# KiCad board ergodonk_simple_zero.kicad_pcb
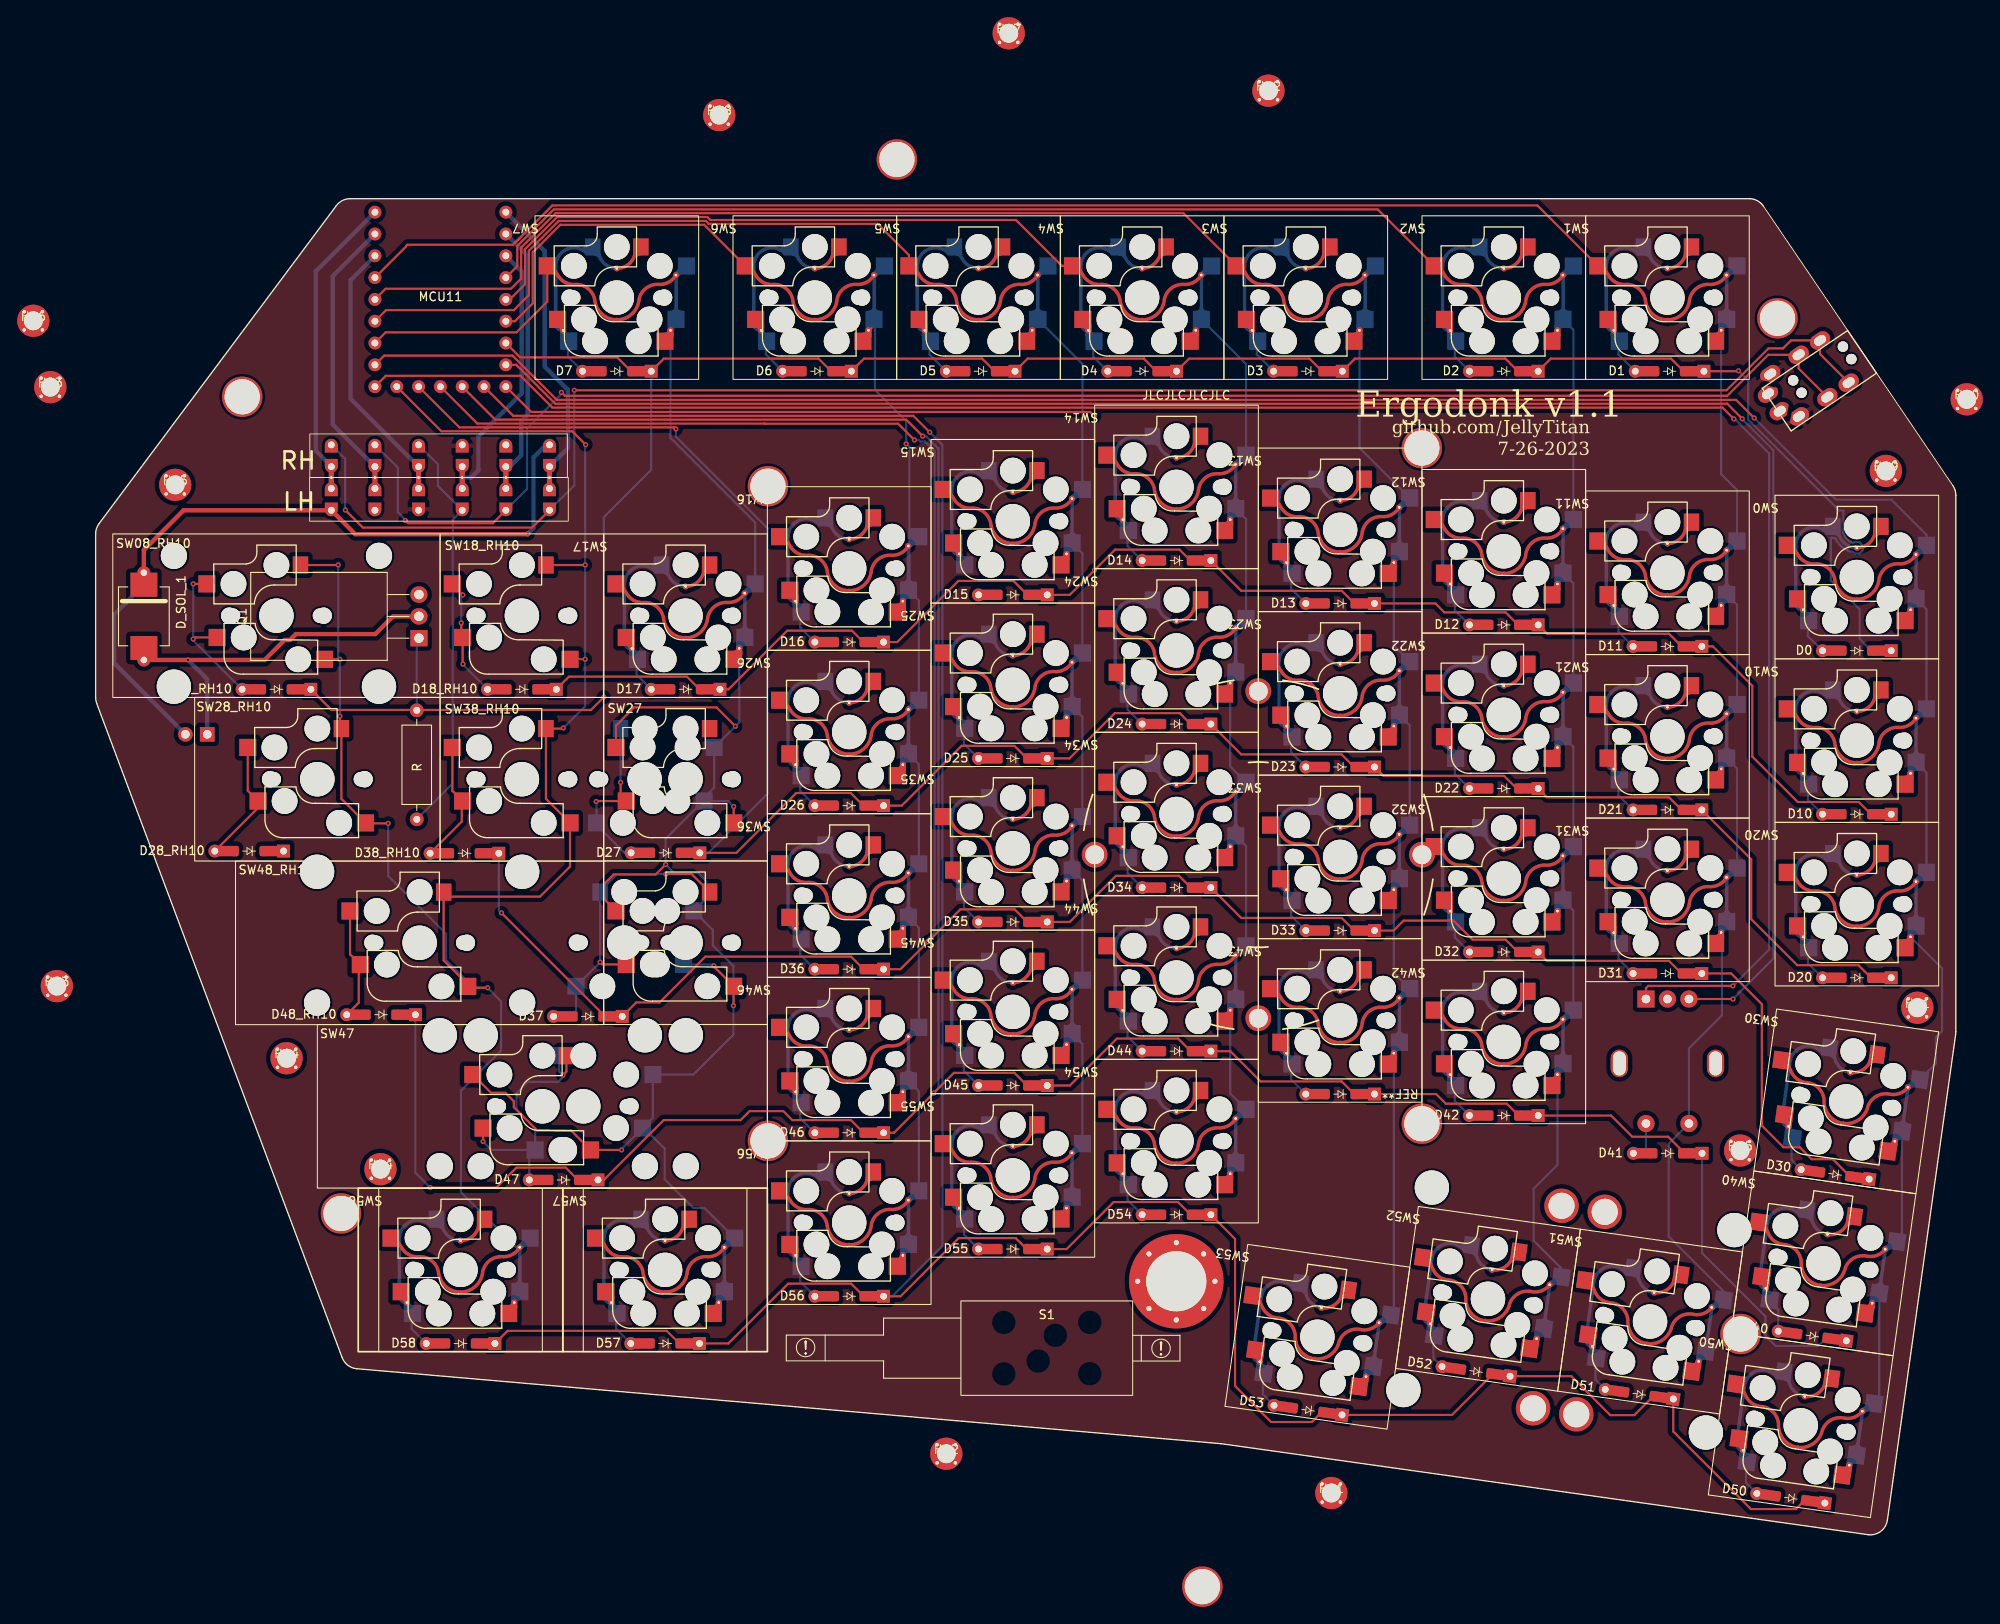
[diagram p0: board, top side]
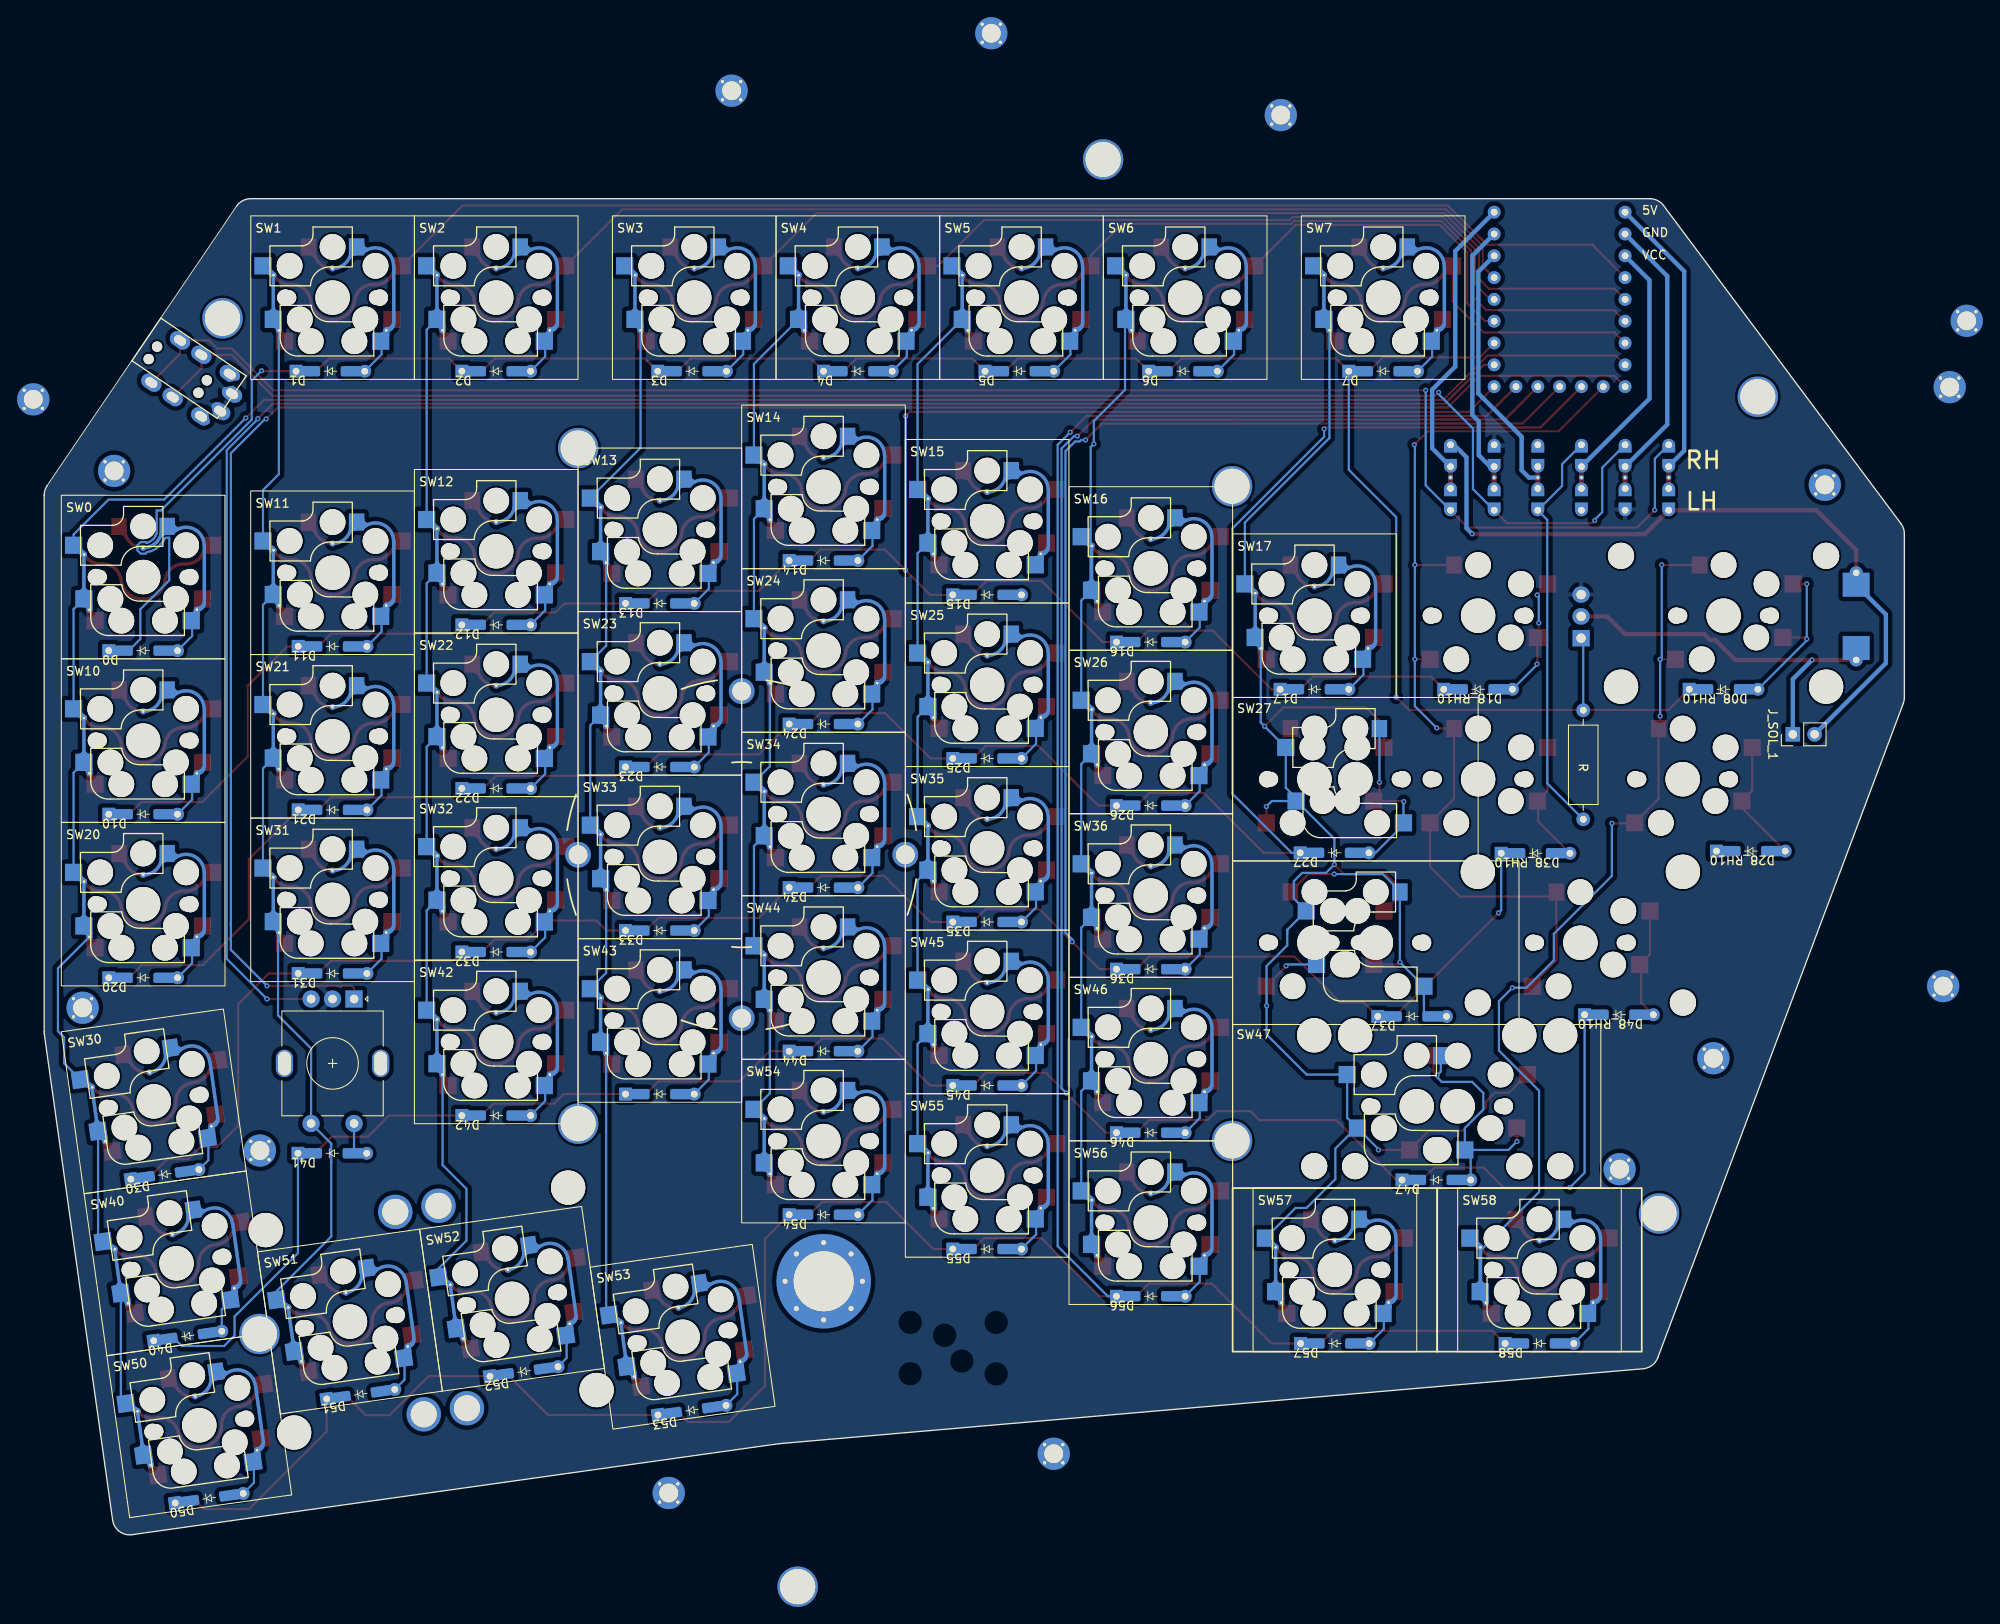
[diagram p1: board, bottom side, seen from below]

Outline 216.55 x 155.62 mm; copper layers: Top, Bottom. Coordinates in mm from the lower left corner of the outline.
Outline path: 216.55,58.57 216.55,121.07 arc(216.46,121.66) 216.21,122.19 194.16,154.74 arc(193.44,155.39) 192.5,155.62 29.64,155.62 arc(28.74,155.41) 28.03,154.82 0.4,117.77 arc(0.1,117.2) 0,116.57 0,97.52 arc(0.03,97.16) 0.13,96.82 28.7,20.62 arc(29.37,19.73) 30.4,19.33 130.98,10.6 206.32,0 arc(207.8,0.38) 208.58,1.7 216.53,58.29 arc(216.55,58.43) 216.55,58.57
Stack: Top 0.035mm / dielectric 1.51mm FR4 er 4.5 / Bottom 0.035mm

## Placement (name value [footprint] x y rotation side)
D0  D  [D_SOD-123_DO-35_Hybrid_DoubleSided_ergodonk_simple_zero]  205.02 102.97 180 top
D1  D  [D_SOD-123_DO-35_Hybrid_DoubleSided_ergodonk_simple_zero]  183.23 135.52 180 top
D2  D  [D_SOD-123_DO-35_Hybrid_DoubleSided_ergodonk_simple_zero]  163.93 135.52 180 top
D3  D  [D_SOD-123_DO-35_Hybrid_DoubleSided_ergodonk_simple_zero]  141.12 135.52 180 top
D4  D  [D_SOD-123_DO-35_Hybrid_DoubleSided_ergodonk_simple_zero]  121.83 135.52 180 top
D5  D  [D_SOD-123_DO-35_Hybrid_DoubleSided_ergodonk_simple_zero]  103.02 135.52 180 top
D6  D  [D_SOD-123_DO-35_Hybrid_DoubleSided_ergodonk_simple_zero]  83.97 135.52 180 top
D7  D  [D_SOD-123_DO-35_Hybrid_DoubleSided_ergodonk_simple_zero]  60.67 135.52 180 top
D08_RH10  D  [D_SOD-123_DO-35_Hybrid_DoubleSided_ergodonk_simple_zero]  21.05 98.47 180 top
D10  D  [D_SOD-123_DO-35_Hybrid_DoubleSided_ergodonk_simple_zero]  205.02 83.92 180 top
D11  D  [D_SOD-123_DO-35_Hybrid_DoubleSided_ergodonk_simple_zero]  182.98 103.47 180 top
D12  D  [D_SOD-123_DO-35_Hybrid_DoubleSided_ergodonk_simple_zero]  163.93 105.97 180 top
D13  D  [D_SOD-123_DO-35_Hybrid_DoubleSided_ergodonk_simple_zero]  144.88 108.47 180 top
D14  D  [D_SOD-123_DO-35_Hybrid_DoubleSided_ergodonk_simple_zero]  125.83 113.47 180 top
D15  D  [D_SOD-123_DO-35_Hybrid_DoubleSided_ergodonk_simple_zero]  106.77 109.47 180 top
D16  D  [D_SOD-123_DO-35_Hybrid_DoubleSided_ergodonk_simple_zero]  87.72 103.97 180 top
D17  D  [D_SOD-123_DO-35_Hybrid_DoubleSided_ergodonk_simple_zero]  68.67 98.47 180 top
D18_RH10  D  [D_SOD-123_DO-35_Hybrid_DoubleSided_ergodonk_simple_zero]  49.62 98.47 180 top
D20  D  [D_SOD-123_DO-35_Hybrid_DoubleSided_ergodonk_simple_zero]  205.02 64.87 180 top
D21  D  [D_SOD-123_DO-35_Hybrid_DoubleSided_ergodonk_simple_zero]  182.98 84.42 180 top
D22  D  [D_SOD-123_DO-35_Hybrid_DoubleSided_ergodonk_simple_zero]  163.93 86.92 180 top
D23  D  [D_SOD-123_DO-35_Hybrid_DoubleSided_ergodonk_simple_zero]  144.88 89.42 180 top
D24  D  [D_SOD-123_DO-35_Hybrid_DoubleSided_ergodonk_simple_zero]  125.83 94.42 180 top
D25  D  [D_SOD-123_DO-35_Hybrid_DoubleSided_ergodonk_simple_zero]  106.77 90.42 180 top
D26  D  [D_SOD-123_DO-35_Hybrid_DoubleSided_ergodonk_simple_zero]  87.72 84.92 180 top
D27  D  [D_SOD-123_DO-35_Hybrid_DoubleSided_ergodonk_simple_zero]  66.33 79.42 180 top
D28_RH10  D  [D_SOD-123_DO-35_Hybrid_DoubleSided_ergodonk_simple_zero]  17.88 79.63 180 top
D30  D  [D_SOD-123_DO-35_Hybrid_DoubleSided_ergodonk_simple_zero]  202.5 41.97 172 top
D31  D  [D_SOD-123_DO-35_Hybrid_DoubleSided_ergodonk_simple_zero]  182.98 65.37 180 top
D32  D  [D_SOD-123_DO-35_Hybrid_DoubleSided_ergodonk_simple_zero]  163.93 67.87 180 top
D33  D  [D_SOD-123_DO-35_Hybrid_DoubleSided_ergodonk_simple_zero]  144.88 70.37 180 top
D34  D  [D_SOD-123_DO-35_Hybrid_DoubleSided_ergodonk_simple_zero]  125.83 75.37 180 top
D35  D  [D_SOD-123_DO-35_Hybrid_DoubleSided_ergodonk_simple_zero]  106.77 71.37 180 top
D36  D  [D_SOD-123_DO-35_Hybrid_DoubleSided_ergodonk_simple_zero]  87.72 65.87 180 top
D37  D  [D_SOD-123_DO-35_Hybrid_DoubleSided_ergodonk_simple_zero]  57.3 60.37 180 top
D38_RH10  D  [D_SOD-123_DO-35_Hybrid_DoubleSided_ergodonk_simple_zero]  42.94 79.37 180 top
D40  D  [D_SOD-123_DO-35_Hybrid_DoubleSided_ergodonk_simple_zero]  199.83 23.14 172 top
D41  D  [D_SOD-123_DO-35_Hybrid_DoubleSided_ergodonk_simple_zero]  183 44.42 180 top
D42  D  [D_SOD-123_DO-35_Hybrid_DoubleSided_ergodonk_simple_zero]  163.93 48.82 180 top
D43  D  [D_SOD-123_DO-35_Hybrid_DoubleSided_ergodonk_simple_zero]  144.88 51.32 180 top
D44  D  [D_SOD-123_DO-35_Hybrid_DoubleSided_ergodonk_simple_zero]  125.83 56.32 180 top
D45  D  [D_SOD-123_DO-35_Hybrid_DoubleSided_ergodonk_simple_zero]  106.77 52.32 180 top
D46  D  [D_SOD-123_DO-35_Hybrid_DoubleSided_ergodonk_simple_zero]  87.72 46.82 180 top
D47  D  [D_SOD-123_DO-35_Hybrid_DoubleSided_ergodonk_simple_zero]  54.48 41.32 180 top
D48_RH10  D  [D_SOD-123_DO-35_Hybrid_DoubleSided_ergodonk_simple_zero]  33.22 60.57 180 top
D50  D  [D_SOD-123_DO-35_Hybrid_DoubleSided_ergodonk_simple_zero]  197.34 4.24 172 top
D51  D  [D_SOD-123_DO-35_Hybrid_DoubleSided_ergodonk_simple_zero]  179.69 16.36 172 top
D52  D  [D_SOD-123_DO-35_Hybrid_DoubleSided_ergodonk_simple_zero]  160.69 19.01 172 top
D53  D  [D_SOD-123_DO-35_Hybrid_DoubleSided_ergodonk_simple_zero]  141.13 14.51 172 top
D54  D  [D_SOD-123_DO-35_Hybrid_DoubleSided_ergodonk_simple_zero]  125.83 37.27 180 top
D55  D  [D_SOD-123_DO-35_Hybrid_DoubleSided_ergodonk_simple_zero]  106.77 33.27 180 top
D56  D  [D_SOD-123_DO-35_Hybrid_DoubleSided_ergodonk_simple_zero]  87.72 27.77 180 top
D57  D  [D_SOD-123_DO-35_Hybrid_DoubleSided_ergodonk_simple_zero]  66.29 22.27 180 top
D58  D  [D_SOD-123_DO-35_Hybrid_DoubleSided_ergodonk_simple_zero]  42.48 22.27 180 top
D_SOL_1  MUR340S  [MUR340S_IN4001_TH_HYBRID]  5.61 106.97 270 top
H1  MountingHole  [Hole from sofle for M2 posts gold rimmer]  154.38 126.57 180 top
H2  MountingHole  [Hole from sofle for M2 posts gold rimmer]  154.38 47.87 0 top
H3  MountingHole  [Hole from sofle for M2 posts gold rimmer]  78.27 45.87 0 top
H4  MountingHole  [Hole from sofle for M2 posts gold rimmer]  78.27 122.13 0 top
H5  MountingHole  [Hole from sofle for M2 posts gold rimmer]  191.49 23.38 0 top
H6  MountingHole  [Hole from sofle for M2 posts gold rimmer]  195.79 141.69 0 top
H7  MountingHole  [Hole from sofle for M2 posts gold rimmer]  93.27 160.19 0 top
H8  MountingHole  [Hole from sofle for M2 posts gold rimmer]  17.06 132.55 0 top
H9  MountingHole  [Hole from sofle for M2 posts gold rimmer]  28.56 37.42 0 top
H10  MountingHole  [Hole from sofle for M2 posts gold rimmer]  128.83 -6.05 0 top
H11  MountingHole  [M2_Hole_fancy_for_bolt-on-plate]  143.84 4.86 0 top
H12  MountingHole  [M2_Hole_fancy_for_bolt-on-plate]  99.02 9.43 0 top
H13  MountingHole  [M2_Hole_fancy_for_bolt-on-plate]  -4.52 63.9 0 top
H14  MountingHole  [M2_Hole_fancy_for_bolt-on-plate]  22.23 55.49 0 top
H15  MountingHole  [M2_Hole_fancy_for_bolt-on-plate]  9.27 122.29 0 top
H16  MountingHole  [M2_Hole_fancy_for_bolt-on-plate]  -7.26 141.39 0 top
H17  MountingHole  [M2_Hole_fancy_for_bolt-on-plate]  106.29 174.88 0 top
H18  MountingHole  [M2_Hole_fancy_for_bolt-on-plate]  72.59 165.35 0 top
H19  MountingHole  [M2_Hole_fancy_for_bolt-on-plate]  208.4 123.91 0 top
H20  MountingHole  [M2_Hole_fancy_for_bolt-on-plate]  217.81 132.24 0 top
H21  MountingHole  [M2_Hole_fancy_for_bolt-on-plate]  212.07 61.38 0 top
H22  MountingHole  [M2_Hole_fancy_for_bolt-on-plate]  136.52 168.2 0 top
H23  MountingHole  [M2_Hole_fancy_for_bolt-on-plate]  -5.28 133.66 0 top
H24  MountingHole  [M2_Hole_fancy_for_bolt-on-plate]  33.16 42.57 0 top
H25  MountingHole  [M2_Hole_fancy_for_bolt-on-plate]  191.44 44.75 0 top
J11  4PIN  [MJ-4PP-9_CANTOR_KITCHEN_SINK]  205.63 137.78 304.1 top
J_SOL_1  Conn_01x02_Female  [PinHeader_1x02_P2.54mm_Vertical]  12.99 93.23 90 bottom
JP10  SolderJumper_3_Open  [Level Shifter Bypass Jumper simple_zero]  52.83 125.68 90 top
JP11  SolderJumper_3_Open  [Level Shifter Bypass Jumper simple_zero]  47.75 125.68 90 top
JP12  SolderJumper_3_Open  [Level Shifter Bypass Jumper simple_zero]  42.67 125.68 90 top
JP13  SolderJumper_3_Open  [Level Shifter Bypass Jumper simple_zero]  27.43 120.6 270 top
JP14  SolderJumper_3_Open  [Level Shifter Bypass Jumper simple_zero]  32.52 120.6 270 top
JP15  SolderJumper_3_Open  [Level Shifter Bypass Jumper simple_zero]  37.59 120.6 270 top
MCU11  rp2040-zero  [rp2040 Zero simple_zero]  40.14 143.7 0 top
Q1  TIP120  [TO-220-3_Horizontal_TabDown]  37.64 104.43 90 top
R2  1k  [R_Axial_DIN0309_L9.0mm_D3.2mm_P12.70mm_Horizontal]  37.39 96.03 270 bottom
REF**  Tenting Puck  [Tenting_Puck.kicad_mod_nocenter]  135.35 79.2 0 top
REF**#2  -  [STAB_MX_P_2u]  162.07 27.49 262 top
REF**#3  -  [STAB_MX_P_2u]  180.94 24.84 82 top
S1  Solenoid  [uxcell a14092600ux0438 solenoid]  110.73 21.73 0 top
SW0  SW_PUSH_LED  [CherryMX_Choc_Hotswap_ergodonk_simple_zero_56]  205.02 111.55 180 top
SW1  SW_PUSH_LED  [CherryMX_Choc_Hotswap_ergodonk_simple_zero_56]  182.98 144.1 180 top
SW2  SW_PUSH_LED  [CherryMX_Choc_Hotswap_ergodonk_simple_zero_56]  163.93 144.1 180 top
SW3  SW_PUSH_LED  [CherryMX_Choc_Hotswap_ergodonk_simple_zero_56]  140.88 144.1 180 top
SW4  SW_PUSH_LED  [CherryMX_Choc_Hotswap_ergodonk_simple_zero_56]  121.83 144.1 180 top
SW5  SW_PUSH_LED  [CherryMX_Choc_Hotswap_ergodonk_simple_zero_56]  102.77 144.1 180 top
SW6  SW_PUSH_LED  [CherryMX_Choc_Hotswap_ergodonk_simple_zero_56]  83.72 144.1 180 top
SW7  SW_PUSH_LED  [CherryMX_Choc_Hotswap_ergodonk_simple_zero_56]  60.67 144.1 180 top
SW08_RH10  SW_PUSH_LED  [CherryMX_Choc_Hotswap_ergodonk_simple_zero_SS_2U]  21.05 107.05 0 top
SW10  SW_PUSH_LED  [CherryMX_Choc_Hotswap_ergodonk_simple_zero_56]  205.02 92.5 180 top
SW11  SW_PUSH_LED  [CherryMX_Choc_Hotswap_ergodonk_simple_zero_56]  182.98 112.05 180 top
SW12  SW_PUSH_LED  [CherryMX_Choc_Hotswap_ergodonk_simple_zero_56]  163.93 114.55 180 top
SW13  SW_PUSH_LED  [CherryMX_Choc_Hotswap_ergodonk_simple_zero_56]  144.88 117.05 180 top
SW14  SW_PUSH_LED  [CherryMX_Choc_Hotswap_ergodonk_simple_zero_56]  125.83 122.05 180 top
SW15  SW_PUSH_LED  [CherryMX_Choc_Hotswap_ergodonk_simple_zero_56]  106.77 118.05 180 top
SW16  SW_PUSH_LED  [CherryMX_Choc_Hotswap_ergodonk_simple_zero_56]  87.72 112.55 180 top
SW17  SW_PUSH_LED  [CherryMX_Choc_Hotswap_ergodonk_simple_zero_56]  68.67 107.05 180 top
SW18_RH10  SW_PUSH_LED  [CherryMX_Choc_Hotswap_ergodonk_simple_zero_SS]  49.62 107.05 180 top
SW20  SW_PUSH_LED  [CherryMX_Choc_Hotswap_ergodonk_simple_zero_56]  205.02 73.45 180 top
SW21  SW_PUSH_LED  [CherryMX_Choc_Hotswap_ergodonk_simple_zero_56]  182.98 93 180 top
SW22  SW_PUSH_LED  [CherryMX_Choc_Hotswap_ergodonk_simple_zero_56]  163.93 95.5 180 top
SW23  SW_PUSH_LED  [CherryMX_Choc_Hotswap_ergodonk_simple_zero_56]  144.88 98 180 top
SW24  SW_PUSH_LED  [CherryMX_Choc_Hotswap_ergodonk_simple_zero_56]  125.83 103 180 top
SW25  SW_PUSH_LED  [CherryMX_Choc_Hotswap_ergodonk_simple_zero_56]  106.77 99 180 top
SW26  SW_PUSH_LED  [CherryMX_Choc_Hotswap_ergodonk_simple_zero_56]  87.72 93.5 180 top
SW27  SW_PUSH_LED  [CherryMX_Choc_Hotswap_ergodonk_simple_zero_SS_1.5uLH_1uRH]  68.67 88 0 top
SW28_RH10  SW_PUSH_LED  [CherryMX_Choc_Hotswap_ergodonk_simple_zero_SS_1.5U]  25.81 88 0 top
SW30  SW_PUSH_LED  [CherryMX_Choc_Hotswap_ergodonk_simple_zero_56]  203.79 50.47 172 top
SW31  SW_PUSH_LED  [CherryMX_Choc_Hotswap_ergodonk_simple_zero_56]  182.98 73.95 180 top
SW32  SW_PUSH_LED  [CherryMX_Choc_Hotswap_ergodonk_simple_zero_56]  163.93 76.45 180 top
SW33  SW_PUSH_LED  [CherryMX_Choc_Hotswap_ergodonk_simple_zero_56]  144.88 78.95 180 top
SW34  SW_PUSH_LED  [CherryMX_Choc_Hotswap_ergodonk_simple_zero_56]  125.83 83.95 180 top
SW35  SW_PUSH_LED  [CherryMX_Choc_Hotswap_ergodonk_simple_zero_56]  106.77 79.95 180 top
SW36  SW_PUSH_LED  [CherryMX_Choc_Hotswap_ergodonk_simple_zero_56]  87.72 74.45 180 top
SW37  SW_PUSH_LED  [CherryMX_Choc_Hotswap_ergodonk_simple_zero_SS_1.75uLH_1uRH]  68.67 68.96 0 top
SW38_RH10  SW_PUSH_LED  [CherryMX_Choc_Hotswap_ergodonk_simple_zero_SS]  49.62 88 180 top
SW40  SW_PUSH_LED  [CherryMX_Choc_Hotswap_ergodonk_simple_zero_56]  201.14 31.6 172 top
SW42  SW_PUSH_LED  [CherryMX_Choc_Hotswap_ergodonk_simple_zero_56]  163.93 57.4 180 top
SW43  SW_PUSH_LED  [CherryMX_Choc_Hotswap_ergodonk_simple_zero_56]  144.88 59.9 180 top
SW44  SW_PUSH_LED  [CherryMX_Choc_Hotswap_ergodonk_simple_zero_56]  125.83 64.9 180 top
SW45  SW_PUSH_LED  [CherryMX_Choc_Hotswap_ergodonk_simple_zero_56]  106.77 60.9 180 top
SW46  SW_PUSH_LED  [CherryMX_Choc_Hotswap_ergodonk_simple_zero_56]  87.72 55.4 180 top
SW47  SW_PUSH_LED  [CherryMX_Choc_Hotswap_ergodonk_simple_zero_SS_2.25uLH 2.75uRH]  56.77 50.57 0 top
SW48_RH10  SW_PUSH_LED  [CherryMX_Choc_Hotswap_ergodonk_simple_zero_SS_2.25U]  37.72 68.95 0 top
SW50  SW_PUSH_LED  [CherryMX_Choc_Hotswap_ergodonk_simple_zero_56]  198.49 12.74 172 top
SW51  SW_PUSH_LED  [CherryMX_Choc_Hotswap_ergodonk_simple_zero_56]  180.95 24.82 172 top
SW52  SW_PUSH_LED  [CherryMX_Choc_Hotswap_ergodonk_simple_zero_56]  162.09 27.47 172 top
SW53  SW_PUSH_LED  [CherryMX_Choc_Hotswap_ergodonk_simple_zero_56]  142.23 23.05 172 top
SW54  SW_PUSH_LED  [CherryMX_Choc_Hotswap_ergodonk_simple_zero_56]  125.83 45.85 180 top
SW55  SW_PUSH_LED  [CherryMX_Choc_Hotswap_ergodonk_simple_zero_56]  106.77 41.85 180 top
SW56  SW_PUSH_LED  [CherryMX_Choc_Hotswap_ergodonk_simple_zero_56]  87.72 36.35 180 top
SW57  SW_PUSH_LED  [CherryMX_Choc_Hotswap_ergodonk_simple_zero_56]  66.29 30.85 180 top
SW58  SW_PUSH_LED  [CherryMX_Choc_Hotswap_ergodonk_simple_zero_56]  42.48 30.85 180 top
SWLH_ROT1  RotaryEncoder_Switch  [RotaryEncoder_EC11_ergodonk_variant]  182.98 54.9 270 bottom

## Library data of the parts
D0-D7 D08_RH10 D10-D17 D18_RH10 D20-D27 D28_RH10 D30-D37 D38_RH10 D40-D47 D48_RH10 D50-D58 = -: Description: Diode; Sim.Pins: 1=K 2=A
D_SOL_1 = -: MANUFACTURER: Taiwan Semiconductor; MAXIMUM_PACKAGE_HEIGHT: 2.62 mm; PARTREV: L2102; STANDARD: IPC-7351B
H1-H25 = -: Description: Mounting Hole without connection
J_SOL_1 = -: Description: Generic connector, single row, 01x02, script generated (kicad-library-utils/schlib/autogen/connector/)
JP10-JP15 = -: Description: Solder Jumper, 3-pole, open
Q1 = -: Description: 5A Ic, 60V Vce, Silicon Darlington Power NPN Transistor, TO-220
R2 = -: Description: Resistor, small symbol
SWLH_ROT1 = -: Description: Rotary encoder, dual channel, incremental quadrate outputs, with switch
